# Altium PCB CoinCraftA1.PcbDoc (part 5 of 7)
Units mm, origin at the board's own origin, x right, y up, seen from the top; angles counter-clockwise.
Board outline 90.25 x 131.5 mm, 4 copper layers (Top Layer, Mid-Top Layer, Mid-Bottom Layer, Bottom Layer); 807 components, 132 nets, 2141 pads, 3703 vias.
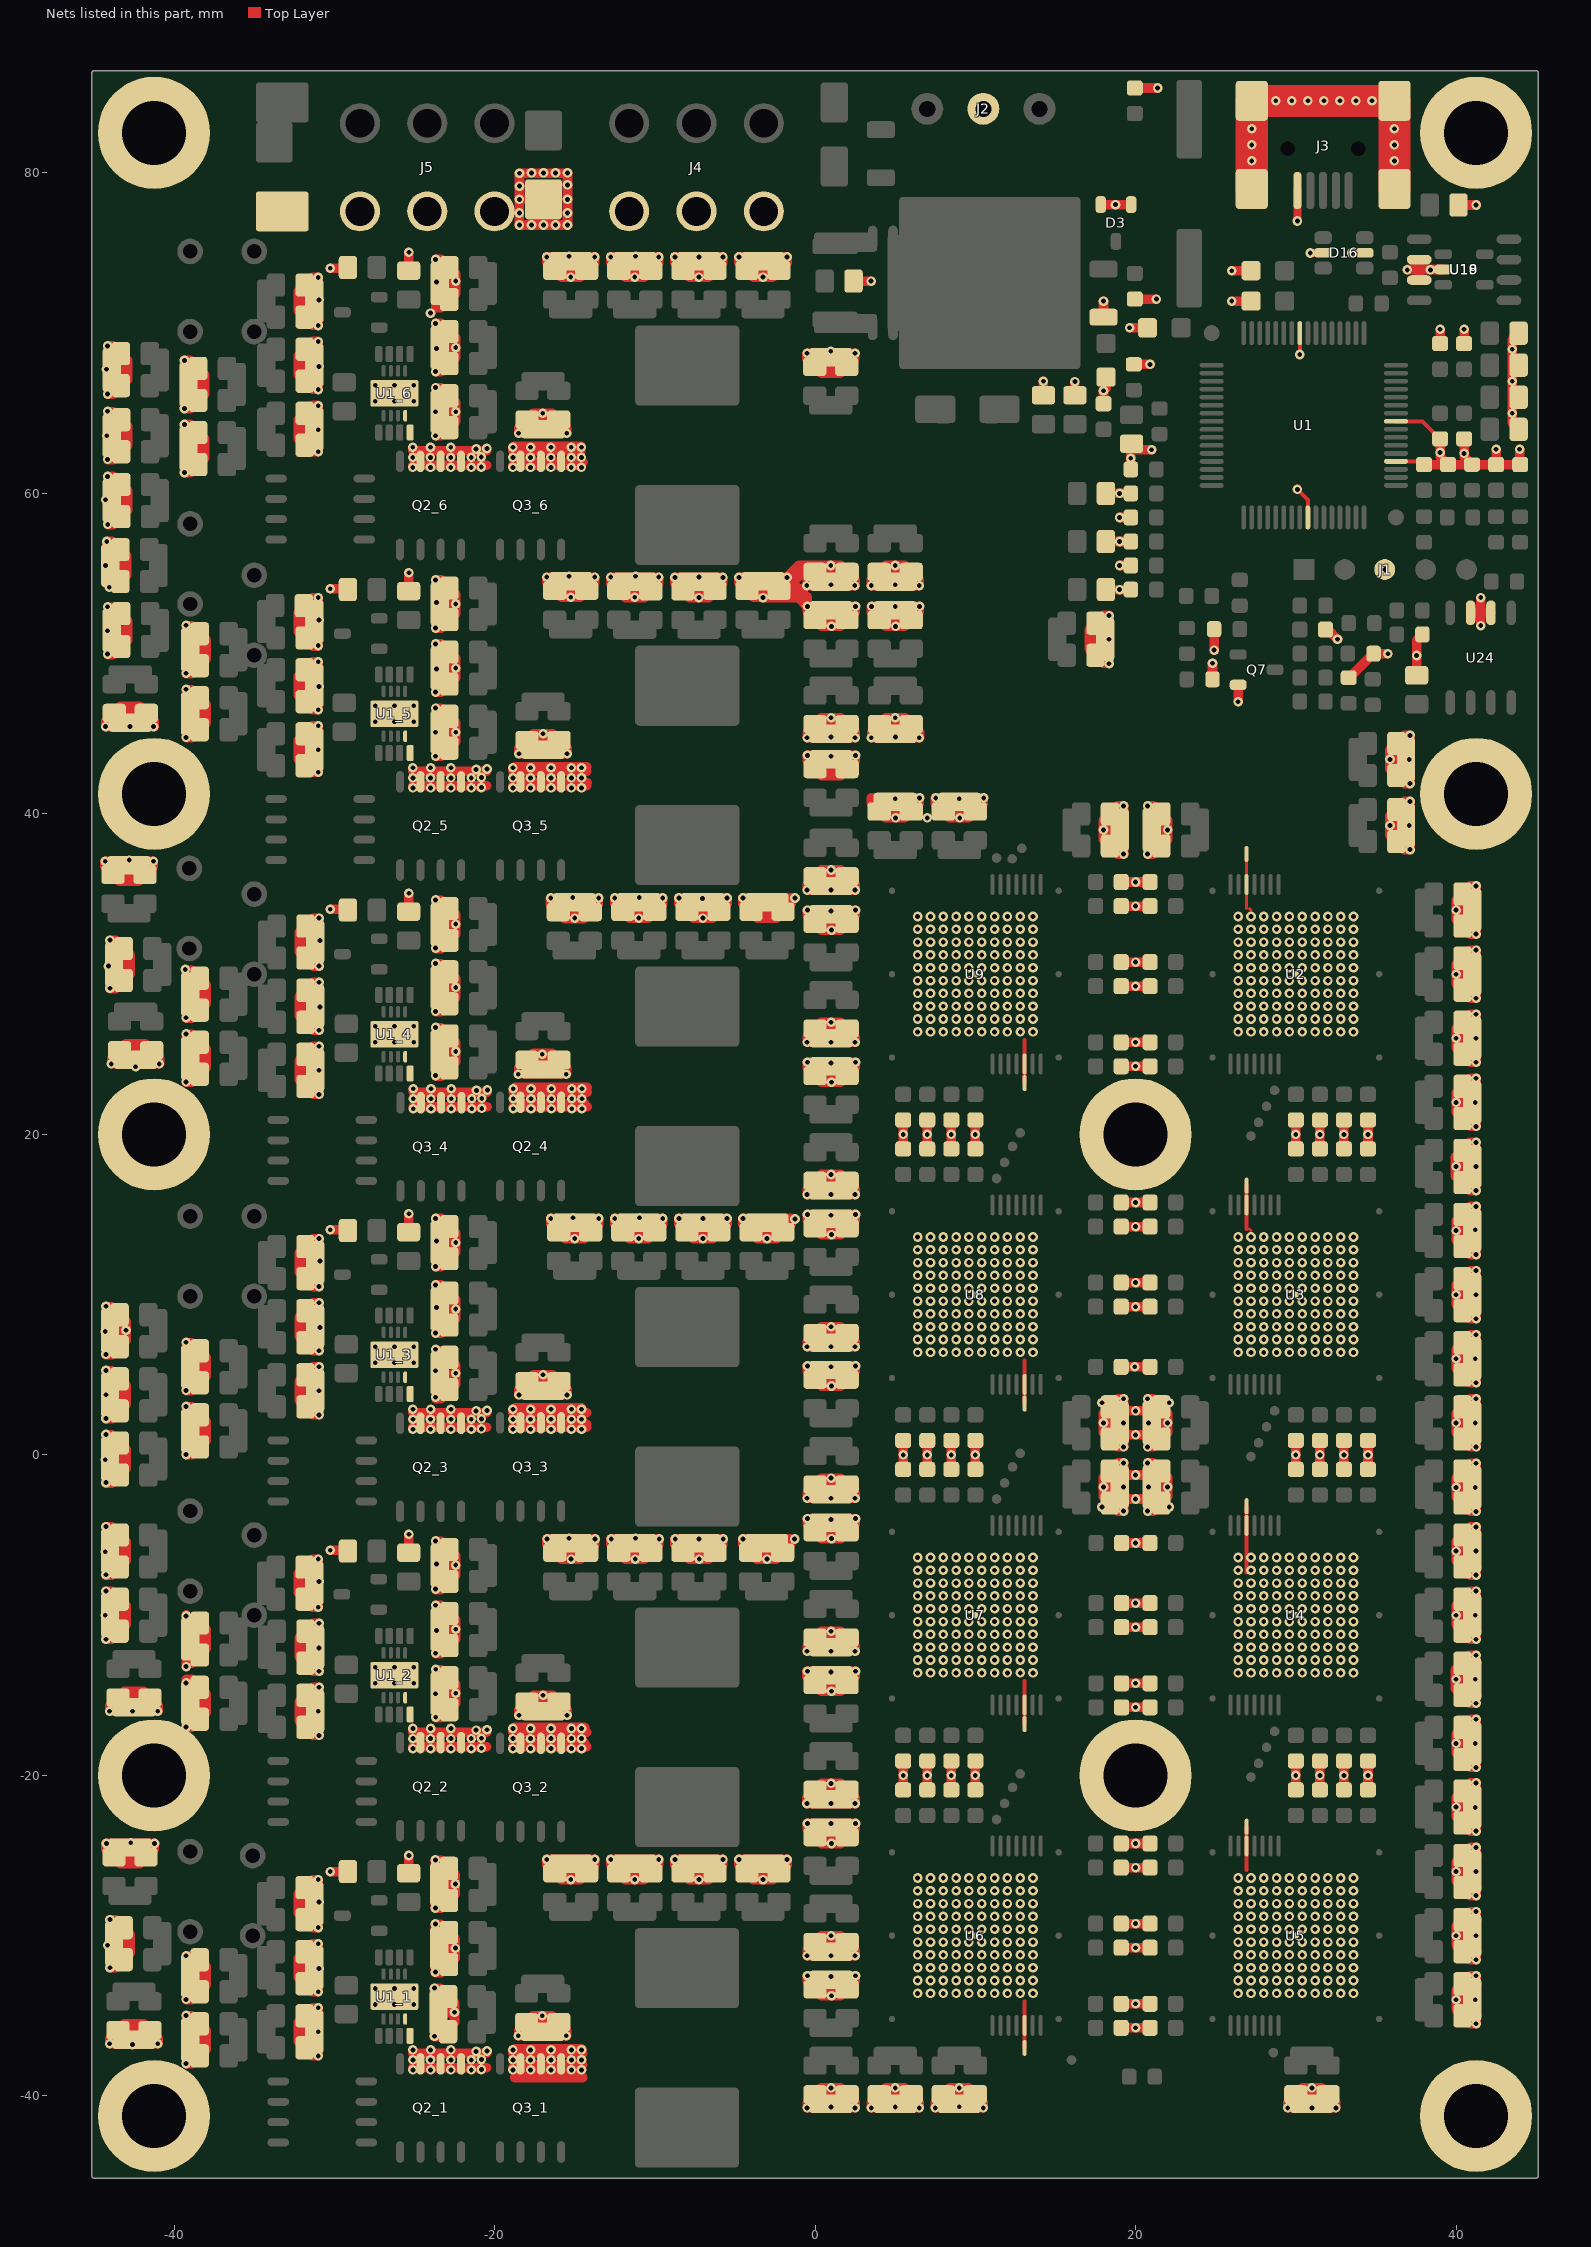
[diagram p7: the nets of this part, all layers, seen from the top]

## Via types
v1: diameter 0.6, hole 0.3, Top Layer to Bottom Layer, tented both sides, 3703 vias

## Nets (pads, with @x,y where several pads share a name; then routed paths per layer and width w, separated by ;. In a path a pad name is that pad's centre, name@x,y a point inside that pad or via, vN(x,y) a via of type N, cw(c..) or ccw(c..) an arc to the next point about the centre after c; other vN are vias at no path point) (continued)
GND: C1-1MO.2 C1-1SO.2 C1-2MO.2 C1-2S.2 C1-2SO.2 C1-3MO.2 C1-3S.2 C1-3SO.2 C1-4MO.2 C1-4S.2 C1-4SO.1 C1-5.2 C1-5MO.2 C1-5S.2 C1-5SO.2 C1-6.2 C1-6MO.2 C1-6S.2 C1-6SO.2 C1-7MO.2 C1-7S.2 C1-7SO.2 C1-8MO.2 C1-8S.2 C1-8SO.2 C1.2 C1_0.2 C1_1.1 C1_1S.2 C1_2.1 C1_3.1 C1_4.1 C1_5.1 C1_6.1 C2-1MO.2 C2-1S.2 C2-1SO.2 C2-2MO.2 C2-2S.2 C2-2SO.2 C2-3MO.2 C2-3S.2 C2-3SO.2 C2-4MO.2 C2-4S.2 C2-4SO.1 C2-5.2 C2-5MO.2 C2-5S.2 C2-5SO.2 C2-6.2 C2-6MO.2 C2-6S.2 C2-6SO.2 C2-7MO.2 C2-7S.2 C2-7SO.2 C2-8MO.2 C2-8S.2 C2-8SO.2 C2_0.2 C2_1.2 C2_2.2 C2_3.2 C2_4.2 C2_5.2 C2_6.2 C3-1MO.2 C3-1S.2 C3-1SO.2 C3-2MO.2 C3-2S.2 C3-2SO.2 C3-3MO.2 C3-3S.2 C3-3SO.2 C3-4MO.2 C3-4S.2 C3-4SO.2 C3-5.2 C3-5MO.2 C3-5S.2 C3-5SO.2 C3-6.2 C3-6MO.2 C3-6S.2 C3-6SO.2 C3-7MO.2 C3-7S.2 C3-7SO.2 C3-8MO.2 C3-8S.2 C3-8SO.2 C3_0.2 C4-1MO.2 C4-1S.2 C4-1SO.2 C4-2MO.2 C4-2S.2 C4-2SO.2 C4-3MO.2 C4-3S.2 C4-3SO.2 C4-4MO.2 C4-4S.2 C4-4SO.2 C4-5.2 C4-5MO.2 C4-5S.2 C4-5SO.2 C4-6.2 C4-6MO.2 C4-6S.2 C4-6SO.2 C4-7MO.2 C4-7S.2 C4-7SO.2 C4-8MO.2 C4-8S.2 C4-8SO.2 C4_0.2 C5-1MO.2 C5-1S.2 C5-1SO.2 C5-2MO.2 C5-2S.2 C5-2SO.1 C5-3MO.2 C5-3S.2 C5-3SO.2 C5-4MO.2 C5-4S.2 C5-4SO.2 C5-5.2 C5-5MO.2 C5-5S.2 C5-5SO.2 C5-6.2 C5-6MO.2 C5-6S.2 C5-6SO.2 C5-7MO.2 C5-7S.2 C5-7SO.2 C5-8MO.2 C5-8S.2 C5-8SO.2 C5_0.2 C6-1MO.2 C6-1S.2 C6-1SO.2 C6-2MO.2 C6-2S.2 C6-2SO.1 C6-3MO.2 C6-3S.2 C6-3SO.2 C6-4MO.2 C6-4S.2 C6-4SO.2 C6-5.2 C6-5MO.2 C6-5S.2 C6-5SO.2 C6-6.2 C6-6MO.2 C6-6S.2 C6-6SO.2 C6-7MO.2 C6-7S.2 C6-7SO.2 C6-8MO.2 C6-8S.2 C6-8SO.2 C6_0.2 C7-1MO.2 C7-1S.2 C7-1SO.2 C7-2MO.2 C7-2S.2 C7-2SO.1 C7-3MO.2 C7-3S.2 C7-3SO.2 C7-4MO.2 C7-4S.2 C7-4SO.2 C7-5.2 C7-5MO.2 C7-5S.2 C7-5SO.2 C7-6.2 C7-6MO.2 C7-6S.2 C7-6SO.2 C7-7MO.2 C7-7S.2 C7-7SO.2 C7-8MO.2 C7-8S.2 C7-8SO.2 C7_0.2 C8-1MO.2 C8-1S.2 C8-1SO.2 C8-2MO.2 C8-2S.2 C8-2SO.1 C8-3MO.2 C8-3S.2 C8-3SO.2 C8-4MO.2 C8-4S.2 C8-4SO.2 C8-5.2 C8-5MO.2 C8-5S.2 C8-5SO.2 C8-6.2 C8-6MO.2 C8-6S.2 C8-6SO.2 C8-7MO.2 C8-7S.2 C8-7SO.2 C8-8MO.2 C8-8S.2 C8-8SO.2 C8_0.2 C9-1MO.2 C9-1S.2 C9-1SO.2 C9-2MO.2 C9-2S.2 C9-2SO.1 C9-3MO.2 C9-3S.2 C9-3SO.1 C9-4MO.2 C9-4S.2 C9-4SO.2 C9-5.2 C9-5MO.2 C9-5S.2 C9-5SO.2 C9-6.2 C9-6MO.2 C9-6S.2 C9-6SO.2 C9-7MO.2 C9-7S.2 C9-7SO.1 C9-8MO.2 C9-8S.2 C9-8SO.2 C9_0.2 C10-1MO.2 C10-1S.2 C10-1SO.2 C10-2MO.2 C10-2S.2 C10-2SO.1 C10-3MO.2 C10-3S.2 C10-3SO.1 C10-4MO.2 C10-4S.2 C10-4SO.2 C10-5.2 C10-5MO.2 C10-5S.2 C10-5SO.2 C10-6.2 C10-6MO.2 C10-6S.2 C10-6SO.2 C10-7MO.2 C10-7S.2 C10-7SO.2 C10-8MO.2 C10-8S.2 C10-8SO.2 C10_0.2 C11-1MO.2 C11-1SO.1 C11-2MO.2 C11-2S.2 C11-2SO.2 C11-3MO.2 C11-3S.2 C11-3SO.2 C11-5.2 C11-5MO.2 C11-5SO.2 C11-6.2 C11-6S.2 C11-7S.2 C11-8MO.2 C11-8SO.2 C11_0.2 C11_1.2 C11_2.2 C11_3.2 C11_4.2 C12-1MO.2 C12-1SO.2 C12-2MO.2 C12-2S.2 C12-2SO.2 C12-3MO.2 C12-3S.2 C12-3SO.1 C12-5.2 C12-5MO.2 C12-5SO.2 C12-6.2 C12-6S.2 C12-7S.2 C12-8MO.2 C12-8SO.2 C12_0.2 C12_1.2 C12_2.2 C12_3.2 C12_4.2 C13-2S.2 C13-3S.2 C13-5.2 C13-5MO.2 C13-5SO.2 C13-6.2 C13-6S.2 C13-7S.2 C13-8MO.2 C13-8SO.2 C13_0.2 C13_1.2 C13_2.2 C13_3.2 C13_4.2 C14-5.2 C14-5MO.2 C14-5SO.2 C14-6.2 C14-8MO.2 C14-8SO.2 C14_0.2 C14_1.2 C14_2.2 C14_3.2 C14_4.2 C15-5.2 C15-6.2 C15-8MO.2 C15-8SO.2 C15_0.2 C15_1.2 C15_2.2 C15_3.2 C15_4.2 C16-5.2 C16-6.2 C16-8MO.2 C16-8SO.2 C16_0.2 C16_1.2 C16_2.2 C16_3.2 C16_4.2 C17.2 C17_0.2 C17_1.2 C17_2.2 C17_3.2 C17_4.2 C18_0.2 C18_1.2 C18_2.2 C18_3.2 C18_4.2 C19_1.2 C19_2.2 C19_3.2 C19_4.2 C20-5.2 C20-6.2 C20_0.2 C20_1.2 C20_2.2 C20_3.2 C20_4.2 C21-5.2 C21-6.2 C21_0.2 C21_1.2 C21_2.2 C21_3.2 C21_4.2 C22-5.2 C22-6.2 C22_0.2 C22_1.2 C22_2.2 C22_3.2 C22_4.2 C23-5.2 C23-6.2 C23_0.2 C23_1.2 C23_2.2 C23_3.2 C23_4.2 C24-5.2 C24-6.2 C24_0.2 C24_1.2 C24_3.2 C24_4.2 C25-5.2 C25-6.2 C25_0.2 C25_1.2 C25_3.2 C25_4.2 C26-5.2 C26-6.2 C26_0.2 C26_1.2 C26_2.2 C26_3.2 C26_4.2 C27-5.2 C27-6.2 C27_0.2 C28_0.2 C31_1.2 C31_2.2 C31_3.2 C31_4.2 C32_1.2 C32_2.2 C32_3.2 C32_4.2 C33_1.2 C33_2.2 C33_3.2 C33_4.2 C34.2 C34_1.2 C34_2.2 C34_3.2 C34_4.2 C35_1.2 C35_2.2 C35_3.2 C35_4.2 C36_1.2 C36_2.2 C36_3.2 C36_4.2 C37_1.2 C37_2.2 C37_3.2 C37_4.2 C38_1.2 C38_2.2 C38_3.2 C38_4.2 C39_1.2 C39_2.2 C39_3.2 C39_4.2 C40_1.2 C40_2.2 C40_3.2 C40_4.2 C40_5.2 C40_6.2 C41_1.2 C41_2.2 C41_3.2 C41_4.2 C41_5.2 C41_6.2 C42_1.2 C42_2.2 C42_3.2 C42_4.2 C42_5.2 C42_6.2 C43.2 C43_1.2 C43_2.2 C43_3.2 C43_4.2 C43_5.2 C43_6.2 C44.2 C44_1.2 C44_2.2 C44_3.2 C44_4.2 C44_5.2 C44_6.2 C45_1.2 C45_2.2 C45_3.2 C45_4.2 C45_5.2 C45_6.2 C46_1.2 C46_2.2 C46_3.2 C46_4.2 C46_5.2 C46_6.2 C47_5.2 C47_6.2 C48_5.2 C48_6.2 C49_5.2 C49_6.2 C50_5.2 C50_6.2 C51_1.2 C51_2.2 C51_3.2 C51_4.2 C51_5.2 C51_6.2 C52_1.2 C52_2.2 C52_3.2 C52_4.2 C52_5.2 C52_6.2 C53_1.2 C53_2.2 C53_3.2 C53_4.2 C53_5.2 C53_6.2 C54_1.2 C54_2.2 C54_3.2 C54_4.2 C54_5.2 C54_6.2 C55_1.2 C55_2.2 C55_3.2 C55_4.2 C55_5.2 C55_6.2 C56_1.2 C56_2.2 C56_3.2 C56_4.2 C57_1.2 C57_2.2 C57_3.2 C57_4.2 C58_1.2 C58_2.2 C58_3.2 C58_4.2 C61_1.2 C61_2.2 C61_3.2 C61_4.2 C61_5.2 C61_6.2 C62_1.2 C62_2.2 C62_3.2 C62_4.2 C62_5.2 C62_6.2 C63.2 C63_1.2 C63_2.2 C63_3.2 C63_4.2 C63_5.2 C63_6.2 C64_1.2 C64_2.2 C64_3.2 C64_4.2 C64_5.2 C64_6.2 C65_1.2 C65_2.2 C65_3.2 C65_4.2 C65_5.2 C65_6.2 C66_1.2 C66_2.2 C66_3.2 C66_4.2 C66_5.2 C66_6.2 C67_1.2 C67_2.2 C67_3.2 C67_4.2 C67_5.2 C67_6.2 C68_1.2 C68_2.2 C68_3.2 C68_4.2 C68_5.2 C68_6.2 C72.2 C73.2 C74.2 C75.2 C76.2 C81_2.2 C82_2.2 C85.2 C86.2 C187.2 C206.1 C211.2 C229.2 C231.2 C233.2 C234.2 C237.2 C248.2 C249.2 C250.2 C251.2 C325.2 C358.2 C359.2 C360.2 C364.2 C366.2 C367.2 C371.2 C374.2 C375.2 C376.2 C377.2 C378.2 C379.2 C383.2 C387.2 C503.2 C504.2 C505.2 C506.2 C507.2 C508.2 C509.2 C510.2 C511.2 C512.2 C513.2 C514.2 C515.2 C516.2 C517.2 C518.2 C519.2 C520.2 C521.2 C522.2 C523.2 C524.2 C525.2 C526.2 C528.2 C529.2 C530.2 C531.2 C532.2 C533.2 C534.2 C536.2 D3.1 D3.2 D4.1 D5.1 D6.1 D7.1 D8.2 D9.2 D14.2 D16.2 D16.5 J1.3 J2.2 J3.5 J3.6 J3.7 J3.8 J3.9 J4.1 J4.3 J4.5 J5.1 J5.3 J5.5 pad.0@13.075,3.2 pad.0@13.075,23.2 pad.0@13.075,-16.8 pad.0@13.075,-37 pad.0@20,20 pad.0@20,-20 pad.0@26.925,16.8 pad.0@26.925,37.5 pad.0@26.925,-3.2 pad.0@26.925,-23.2 pad.0@41.25,41.25 pad.0@41.25,82.5 pad.0@41.25,-41.25 pad.0@-41.25,20 pad.0@-41.25,41.25 pad.0@-41.25,82.5 pad.0@-41.25,-20 pad.0@-41.25,-41.25 pad.1 Q2_1.1 Q2_1.2 Q2_1.3 Q2_2.1 Q2_2.2 Q2_2.3 Q2_3.1 Q2_3.2 Q2_3.3 Q2_4.1 Q2_4.2 Q2_4.3 Q2_5.1 Q2_5.2 Q2_5.3 Q2_6.1 Q2_6.2 Q2_6.3 Q3_1.1 Q3_1.2 Q3_1.3 Q3_2.1 Q3_2.2 Q3_2.3 Q3_3.1 Q3_3.2 Q3_3.3 Q3_4.1 Q3_4.2 Q3_4.3 Q3_5.1 Q3_5.2 Q3_5.3 Q3_6.1 Q3_6.2 Q3_6.3 Q7.2 R4.1 R6.1 R7.2 R8.2 R10.2 R15.1 R18.1 R20.1 R32.2 R35.2 R40.1 R59.1 R60.1 R61.1 U1.9 U1.20 U1.25 U1.41 U1_1.4 U1_1.9 U1_2.4 U1_2.9 U1_3.4 U1_3.9 U1_4.4 U1_4.9 U1_5.4 U1_5.9 U1_6.4 U1_6.9 U2.16 U2.21 U3.16 U3.21 U4.16 U4.21 U5.16 U5.21 U6.16 U6.21 U7.16 U7.21 U8.16 U8.21 U9.16 U9.21 U18.2 U19.6 U19.7 U24.6 U24.7 | length 1715.3
  Top Layer w0.2: 26.925,34.1 U2.16@26.925,35.6 pad.0@26.925,37.5 ; 27.1,14.1 27.2,14 ; 27.1,34.1 27.2,34
  Top Layer w0.25: pad.0@13.075,-37 U6.16@13.075,-35.6 13.075,-34.1 ; pad.0@13.075,-16.8 U7.16@13.075,-15.6 13.075,-14.1 ; pad.0@13.075,3.2 U8.16@13.075,4.4 13.075,5.9 ; pad.0@13.075,23.2 U9.16@13.075,24.4 13.075,25.9 ; 26.925,-25.9 U5.16@26.925,-24.4 pad.0@26.925,-23.2 ; 26.925,-7.35 pad.0@26.925,-3.2 ; 26.925,14.1 U3.16@26.925,15.6 pad.0@26.925,16.8 ; v1(30.1,60.25) 30.75,59.6 U1.9@30.75,58.5 ; v1(30.25,68.666) U1.41@30.25,70 ; U1.20@36.25,62 37.8,62 C251.2@38,61.8 ; U1.25@36.25,64.5 37.9,64.5 C73.2@39,63.4
  Top Layer w0.5: v1(30.1,77) J3.5@30.1,78.9 ; v1(30.9,75) D16.2@31.69,75 ; v1@33.5,75.01 D16.5@34.3,75.01